# KiCad board pandemonium BLE.kicad_pcb
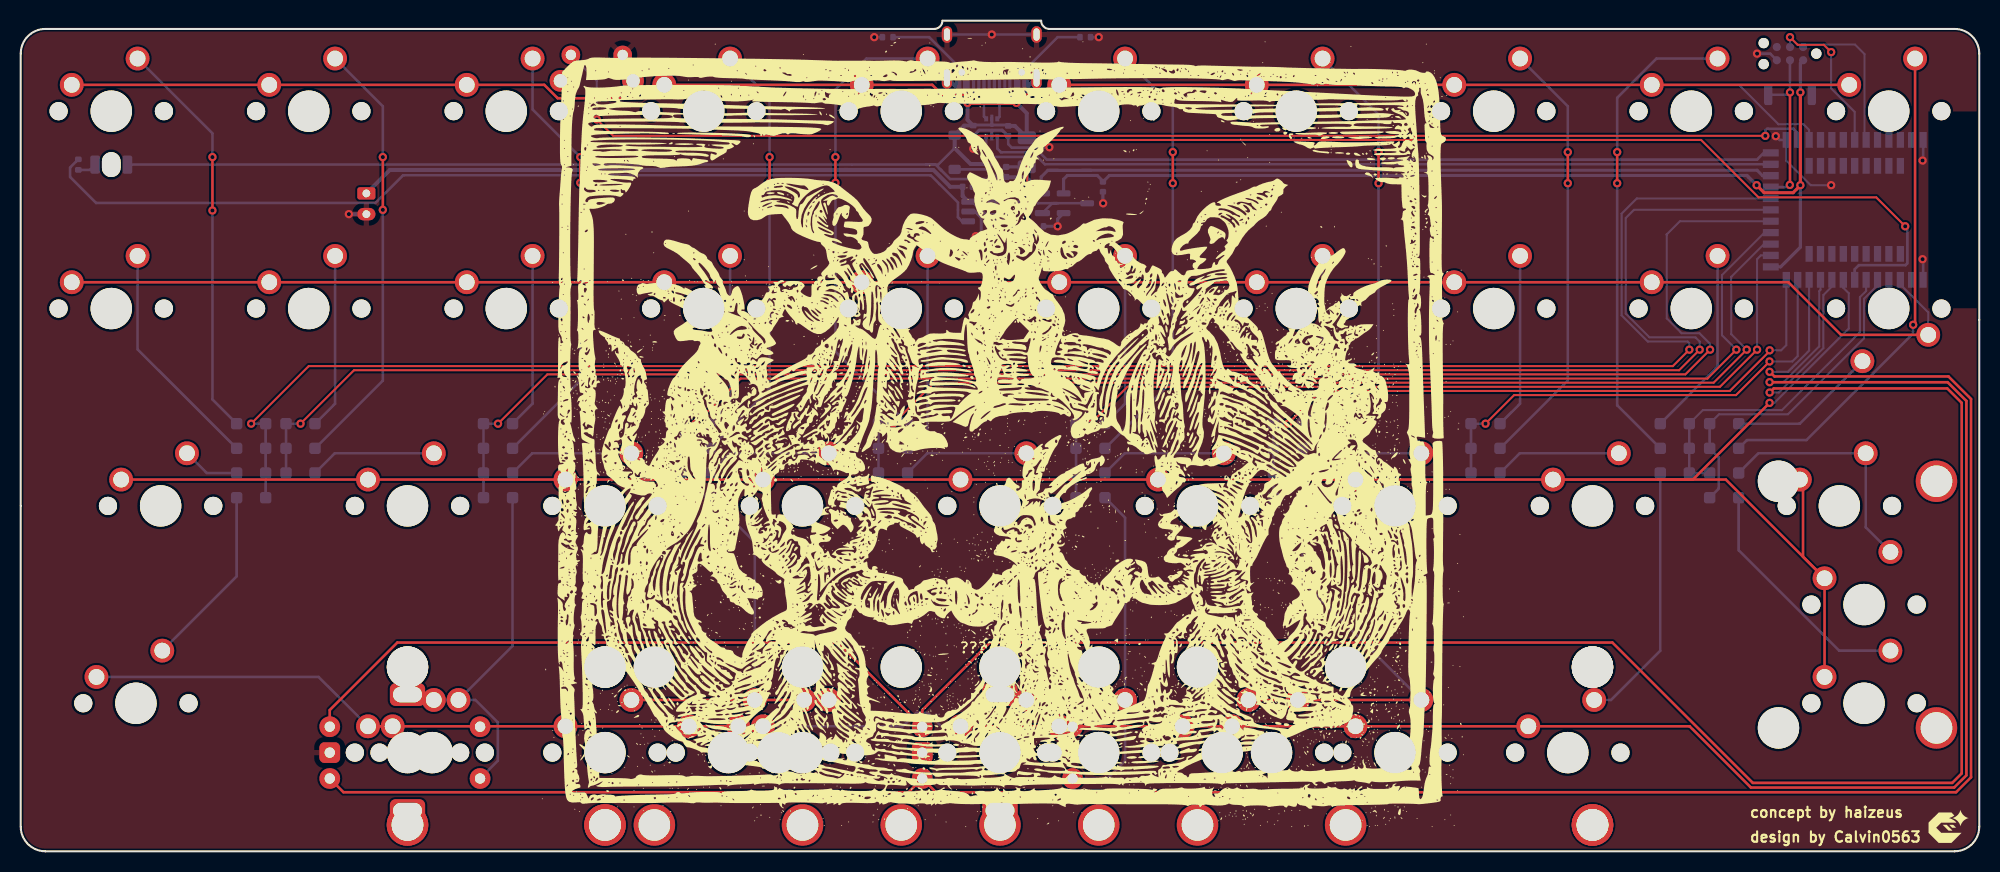
[diagram p0: board, top side]
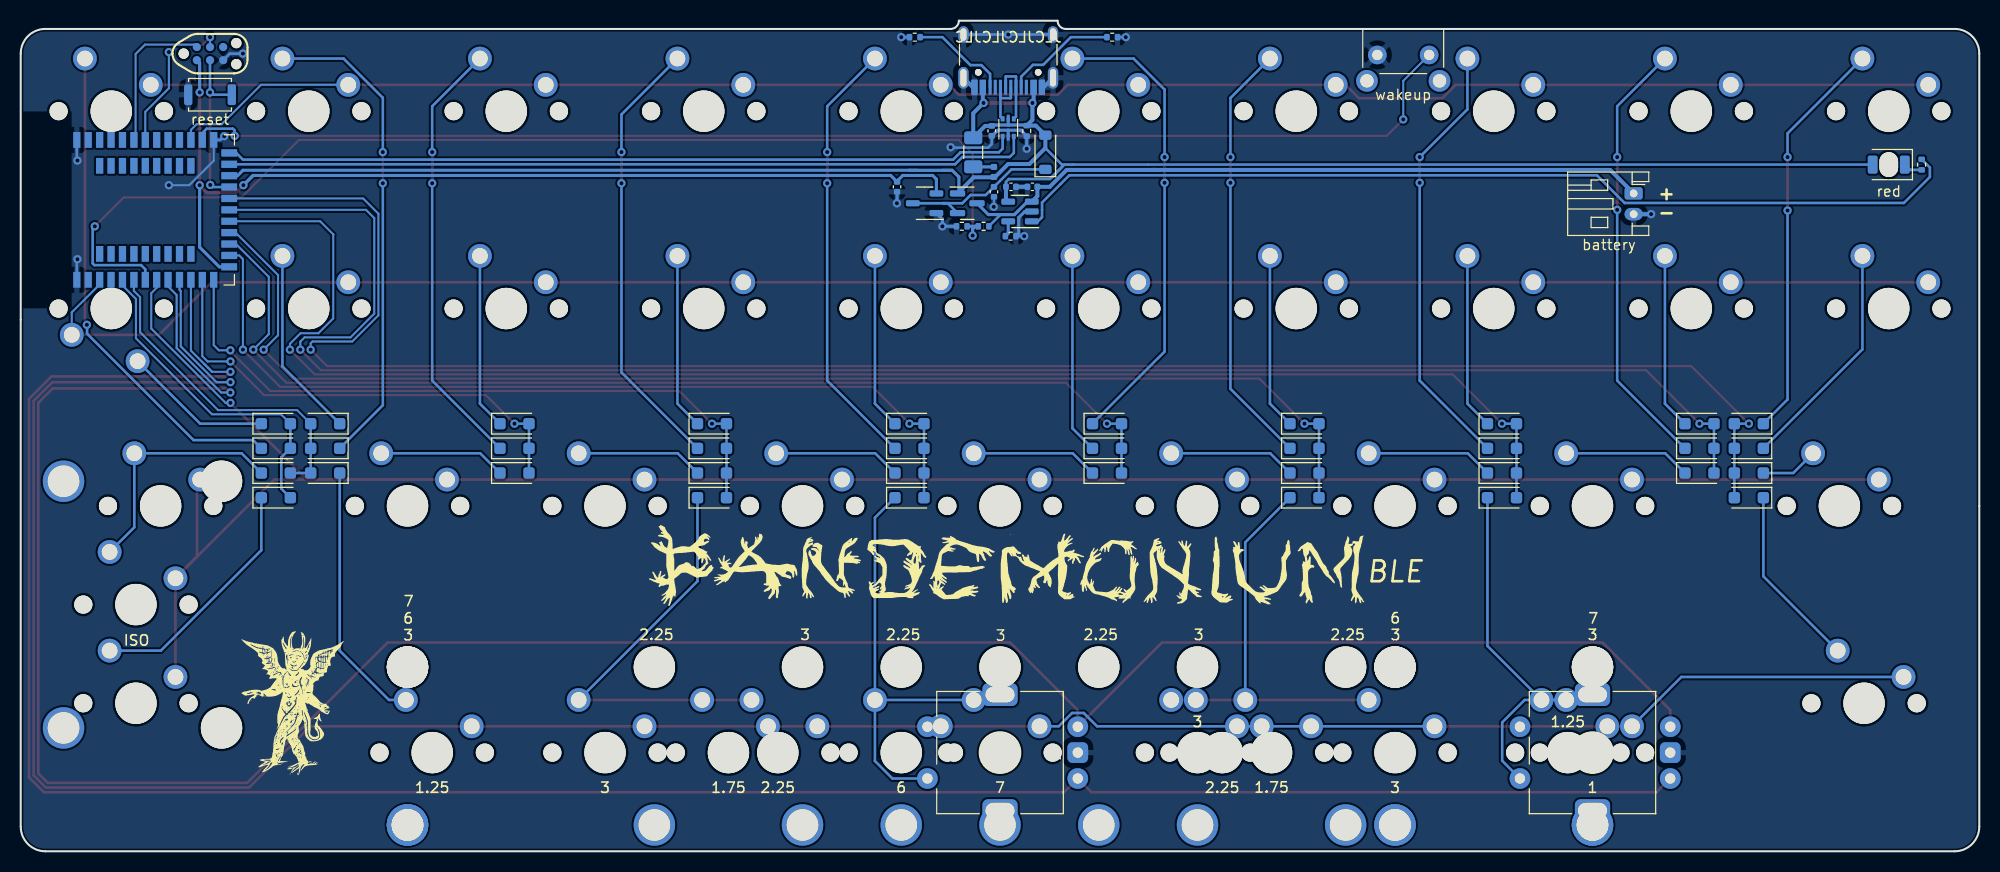
[diagram p1: board, bottom side, seen from below]

Outline 188.91 x 80.17 mm; copper layers: Top, Bottom. Coordinates in mm from the lower left corner of the outline.
Outline path: 0,76.99 0,33.34 0,2.38 arc(0.7,0.7) 2.38,0 186.53,0 arc(188.22,0.7) 188.91,2.38 188.91,51.3 188.91,76.99 arc(188.22,78.68) 186.53,79.38 99.22,79.38 arc(98.66,79.61) 98.43,80.17 88.9,80.17 arc(88.67,79.61) 88.11,79.38 2.38,79.38 arc(0.7,78.68) 0,76.99
Stack: Top 0.035mm / dielectric 1.51mm FR4 er 4.5 / Bottom 0.035mm

## Placement (name value [footprint] x y rotation side)
C1  100nF  [C_0402_1005Metric]  95.25 69.54 270 bottom
C2  1uF  [C_0402_1005Metric]  104.39 64.14 270 bottom
C3  1uF  [C_0402_1005Metric]  95.04 63.65 270 bottom
C4  4.7uF  [C_0402_1005Metric]  93.4 64.14 0 bottom
C5  4.7uF  [C_0402_1005Metric]  91.33 64.14 0 bottom
D1  D_Small  [D_SOD-123F]  22.23 41.28 0 bottom
D2  D_Small  [D_SOD-123F]  103.19 38.89 180 bottom
D3  D_Small  [D_SOD-123F]  22.23 38.89 0 bottom
D4  D_Small  [D_SOD-123F]  103.19 41.28 180 bottom
D5  D_Small  [D_SOD-123F]  22.23 36.51 0 bottom
D6  D_Small  [D_SOD-123F]  103.19 36.51 180 bottom
D7  D_Small  [D_SOD-123F]  22.23 34.13 0 bottom
D8  D_Small  [D_SOD-123F]  26.99 38.89 180 bottom
D9  D_Small  [D_SOD-123F]  122.24 38.89 180 bottom
D10  D_Small  [D_SOD-123F]  26.99 41.28 180 bottom
D11  D_Small  [D_SOD-123F]  122.24 41.28 180 bottom
D12  D_Small  [D_SOD-123F]  26.99 36.51 180 bottom
D13  D_Small  [D_SOD-123F]  122.24 36.51 180 bottom
D14  D_Small  [D_SOD-123F]  46.04 34.13 180 bottom
D15  D_Small  [D_SOD-123F]  46.04 38.89 180 bottom
D16  D_Small  [D_SOD-123F]  141.29 38.89 180 bottom
D17  D_Small  [D_SOD-123F]  46.04 41.28 180 bottom
D18  D_Small  [D_SOD-123F]  141.29 41.28 180 bottom
D19  D_Small  [D_SOD-123F]  46.04 36.51 180 bottom
D20  D_Small  [D_SOD-123F]  141.29 36.51 180 bottom
D21  D_Small  [D_SOD-123F]  65.09 34.13 180 bottom
D22  D_Small  [D_SOD-123F]  65.09 38.89 180 bottom
D23  D_Small  [D_SOD-123F]  84.14 41.28 180 bottom
D24  D_Small  [D_SOD-123F]  103.19 34.13 180 bottom
D25  D_Small  [D_SOD-123F]  159.54 38.89 0 bottom
D26  D_Small  [D_SOD-123F]  164.31 38.89 180 bottom
D27  D_Small  [D_SOD-123F]  159.54 36.51 0 bottom
D28  D_Small  [D_SOD-123F]  65.09 41.28 180 bottom
D29  D_Small  [D_SOD-123F]  84.14 38.89 180 bottom
D30  D_Small  [D_SOD-123F]  164.31 34.13 180 bottom
D31  D_Small  [D_SOD-123F]  159.54 41.28 0 bottom
D32  D_Small  [D_SOD-123F]  164.31 41.28 180 bottom
D34  D_Small  [D_SOD-123F]  65.09 36.51 180 bottom
D35  D_Small  [D_SOD-123F]  84.14 36.51 180 bottom
D37  D_Small  [D_SOD-123F]  164.31 36.51 180 bottom
D38  1N5819  [D_SOD-123]  90.08 67.47 90 bottom
D39  RED  [LED_1206_3216Metric_ReverseMount_Hole1.8x2.4mm]  8.73 66.28 0 bottom
D40  D_Small  [D_SOD-123F]  122.24 34.13 180 bottom
F2  750 mA  [Fuse_1206_3216Metric]  97.04 67.47 90 bottom
G***  -  [LOGO]  -21.43 40.48 90 top
G***#2  -  [LOGO]  185.74 2.38 0 top
G***#3  -  [LOGO]  94.46 40.48 0 top
G***#4  -  [LOGO]  94.46 27.78 180 bottom
G***#5  -  [LOGO]  162.72 14.29 180 bottom
J2  HRO_TYPE-C-31-M-14  [USB_C_Receptacle_HRO_TYPE-C-31-M-12]  93.66 77.79 0 bottom
J8  TC2030_SWD  [CON_TC2030_outlined]  170.66 76.99 180 bottom
J9  Battery  [JST_PH_S2B-PH-K_1x02_P2.00mm_Horizontal]  33.34 63.5 270 bottom
L2  BLM15PX121SN1D  [L_0402_1005Metric]  95.05 65.57 90 bottom
MX1  MX_SW_solder  [SW_MX_1u]  8.73 71.44 0 top
MX2  MX_SW_solder  [SW_MX_1u]  103.98 71.44 0 top
MX3  MX_SW_solder  [SW_MX_1u]  8.73 52.39 0 top
MX4  MX_SW_solder  [SW_MX_1u]  103.98 52.39 0 top
MX5  MX_SW_solder  [SW_MX_1.5u]  13.49 33.34 0 top
MX6  MX_SW_solder  [SW_MX_1u]  113.51 33.34 0 top
MX7  MX_SW_solder  [SW_MX_1.25u]  11.11 14.29 0 top
MX8  MX_SW_solder  [SW_MX_1u]  27.78 71.44 0 top
MX9  MX_SW_solder  [SW_MX_1u]  123.03 71.44 0 top
MX10  MX_SW_solder  [SW_MX_1u]  27.78 52.39 0 top
MX11  MX_SW_solder  [SW_MX_1u]  123.03 52.39 0 top
MX12  MX_SW_solder  [SW_MX_1u]  37.31 33.34 0 top
MX13  MX_SW_solder  [SW_MX_1u]  132.56 33.34 0 top
MX14  MX_SW_solder  [SW_MX_1u]  37.31 9.53 0 top
MX15  MX_SW_solder  [SW_MX_1u]  46.83 71.44 0 top
MX16  MX_SW_solder  [SW_MX_1u]  142.08 71.44 0 top
MX17  MX_SW_solder  [SW_MX_1u]  46.83 52.39 0 top
MX18  MX_SW_solder  [SW_MX_1u]  142.08 52.39 0 top
MX19  MX_SW_solder  [SW_MX_1u]  56.36 33.34 0 top
MX20  MX_SW_solder  [SW_MX_1u]  151.61 33.34 0 top
MX21  MX_SW_solder  [SW_MX_1u]  75.41 9.53 0 top
MX22  MX_SW_solder  [SW_MX_1u]  65.88 71.44 0 top
MX23  MX_SW_solder  [SW_MX_1u]  161.13 71.44 0 top
MX24  MX_SW_solder  [SW_MX_1u]  65.88 52.39 0 top
MX25  MX_SW_solder  [SW_MX_1u]  161.13 52.39 0 top
MX26  MX_SW_solder  [SW_MX_1u]  75.41 33.34 0 top
MX27  MX_SW_solder  [SW_MX_1u]  177.8 23.81 0 top
MX28  MX_SW_solder  [SW_MX_1u]  132.56 9.53 0 top
MX29  MX_SW_solder  [SW_MX_1u]  84.93 71.44 0 top
MX30  MX_SW_solder  [SW_MX_1u]  180.18 71.44 0 top
MX31  MX_SW_solder  [SW_MX_1u]  84.93 52.39 0 top
MX32  MX_SW_solder  [SW_MX_1u]  180.18 52.39 180 top
MX33  MX_SW_solder  [SW_MX_1u]  94.46 33.34 0 top
MX34  MX_SW_solder  [SW_MX_1u]  103.98 9.53 0 top
MX35  MX_SW_solder  [SW_MX_1u]  56.36 9.53 0 top
MX36  MX_SW_solder  [SW_MX_1.25u]  39.69 9.53 0 top
MX37  MX_SW_solder  [SW_MX_1u]  73.03 9.53 0 top
MX38  MX_SW_solder  [SW_MX_1.75u]  68.26 9.53 0 top
MX39  MX_SW_solder  [SW_MX_1u]  94.46 9.53 0 top
MX40  MX_SW_solder  [SW_MX_1.25u]  177.8 14.29 0 top
MX41  MX_SW_solder  [SW_MX_1.5u]  175.42 33.34 0 top
MX42  MX_SW_solder  [SW_MX_1u]  115.89 9.53 0 top
MX43  MX_SW_solder  [SW_MX_1.75u]  120.65 9.53 0 top
MX44  MX_SW_solder  [SW_MX_1.25u]  149.23 9.53 0 top
Q1  AO3407  [SOT-23]  97.61 62.55 180 bottom
R2  810K  [R_0402_1005Metric]  96.04 60.33 0 bottom
R3  1K  [R_0402_1005Metric]  5.56 66.28 90 bottom
R4  3.3K  [R_0402_1005Metric]  93.43 59.38 180 bottom
R5  2M  [R_0402_1005Metric]  98.14 60.33 0 bottom
R6  100K  [R_0402_1005Metric]  91.88 69.54 270 bottom
R7  5.1k  [R_0402_1005Metric]  83.63 78.58 180 bottom
R9  5.1k  [R_0402_1005Metric]  102.68 78.58 0 bottom
S2  3  [STAB_MX_P_3u]  75.41 9.53 180 top
S3  3  [STAB_MX_P_3u]  132.56 9.53 180 top
S4  3  [STAB_MX_P_3u]  56.36 9.53 180 top
S5  ISO  [STAB_MX_P_ISO-ROT]  177.8 23.81 0 top
S6  225  [STAB_MX_P_2.25u]  73.03 9.53 180 top
S7  225  [STAB_MX_P_2.25u]  115.89 9.53 180 top
S8  6  [STAB_MX_P_6u]  103.98 9.53 180 top
S9  7  [STAB_MX_P_7u]  94.46 9.53 180 top
SW1  RotaryEncoder_Switch  [ROT_Alps_EC11E-Switch]  37.31 9.53 270 top
SW2  RotaryEncoder_Switch  [ROT_Alps_EC11E-Switch]  94.46 9.53 270 top
SWT1  SW_Push  [SW_Push_SPST_NO_Alps_SKRK]  170.66 73.03 0 bottom
SWT2  SW_Push  [SW_SKHLLCA010]  55.56 75.61 180 bottom
U2  HOLYIOT-18010  [nRF52840_holyiot_18010]  177.8 61.91 90 bottom
U3  MCP73831  [SOT-23-5]  92.53 61.76 0 bottom
U4  USBLC6-2P6  [SOT-666]  93.66 69.85 90 bottom
U8  XC6206PxxxMR  [SOT-23-3]  101.73 62.55 0 bottom

## Library data of the parts
C1-C5 = -: Description: Unpolarized capacitor, small symbol
D1-D32 D34 D35 D37 D40 = -: Description: Diode, small symbol; Sim.Device: D; Sim.Pins: 1=K 2=A
D38 = -: Description: Diode, small symbol
D39 = -: Description: Light emitting diode, small symbol
F2 = -: Description: Fuse, small symbol; LCSC: C20792
J2 = -: Description: USB 2.0-only Type-C Receptacle connector
J8 = -: Description: 6-pin TC2030 connector for SWD programming
J9 = -: Description: Generic connectable mounting pin connector, single row, 01x02, script generated (kicad-library-utils/schlib/autogen/connector/)
L2 = -: Description: Inductor, small symbol; LCSC: C88970
MX1-MX44 = -: Description: Push button switch, normally open, two pins, 45° tilted
Q1 = -: Description: -4.0A Id, -30V Vds, P-Channel MOSFET, SOT-23
R2-R7 R9 = -: Description: Resistor, small symbol
S2-S9 = -: Description: Cherry MX-style stabilizer
SW1 SW2 = -: Description: Rotary encoder, dual channel, incremental quadrate outputs, with switch
SWT1 SWT2 = -: Description: Push button switch, generic, two pins
U3 = -: Description: Single cell, Li-Ion/Li-Po charge management controller, 4.20V, Open-Drain Status Output, in SOT23-5 package
U4 = -: Description: Very low capacitance ESD protection diode, 2 data-line, SOT-666; LCSC: C15999
U8 = -: Description: Positive 60-250mA Low Dropout Regulator, Fixed Output, SOT-23

## Footprints (pads in the part's own frame, mm; a bottom-side part is the same pattern mirrored in y, then rotated)
C_0402_1005Metric
  rrect 0.56x0.62 smd: 1(-0.48,0) 2(0.48,0)
CON_TC2030_outlined
  round 0.991 hole 0.991 unplated: (-2.54,0) (2.54,-1.016) (2.54,1.016)
  round 0.787 smd: 1(-1.27,-0.635) 2(-1.27,0.635) 3(0,-0.635) 4(0,0.635) 5(1.27,-0.635) 6(1.27,0.635)
D_SOD-123
  rrect 0.9x1.2 smd: 1(-1.65,0) 2(1.65,0)
D_SOD-123F
  rrect 1.1x1.1 smd: 1(-1.4,0) 2(1.4,0)
Fuse_1206_3216Metric
  rrect 1.25x1.75 smd: 1(-1.4,0) 2(1.4,0)
JST_PH_S2B-PH-K_1x02_P2.00mm_Horizontal
  rrect 1.2x1.75 hole 0.75: 1(0,0)
  oval 1.2x1.75 hole 0.75: 2(2,0)
L_0402_1005Metric
  rrect 0.59x0.64 smd: 1(-0.485,0) 2(0.485,0)
LED_1206_3216Metric_ReverseMount_Hole1.8x2.4mm
  oval 1.8x2.4 hole 1.8x2.4 unplated: (0,0)
  rrect 0.95x1.75 smd: 1(-1.55,0) 2(1.55,0)
nRF52840_holyiot_18010
  rect 1.524x0.7 smd: 1(-6.75,5.7) 2(-6.75,4.6) 3(-6.75,3.5) 4(-6.75,2.4) 5(-6.75,1.3) 6(-6.75,0.2) 7(-6.75,-0.9) 8(-6.75,-2) 9(-6.75,-3.1) 10(-6.75,-4.2) 11(-6.75,-5.3) 12(-6.75,-6.4) 13(-6.75,-7.5) 25(6.75,-7.5) 26(6.75,-6.4) 27(6.75,-5.3) 28(6.75,-4.2) 29(6.75,-3.1) 30(6.75,-2) 31(6.75,-0.9) 32(6.75,0.2) 33(6.75,1.3) 34(6.75,2.4) 35(6.75,3.5) 36(6.75,4.6) 37(6.75,5.7) 38(-4.25,3.5) 39(-4.25,2.4) 40(-4.25,1.3) 41(-4.25,0.2) 42(-4.25,-0.9) 43(-4.25,-2) 44(-4.25,-3.1) 45(-4.25,-4.2) 46(-4.25,-5.3) 47(4.25,3.5) 48(4.25,2.4) 49(4.25,1.3) 50(4.25,0.2) 51(4.25,-0.9) 52(4.25,-2) 53(4.25,-3.1) 54(4.25,-4.2) 55(4.25,-5.3)
  rect 0.7x1.524 smd: 14(-5.5,-9) 15(-4.4,-9) 16(-3.3,-9) 17(-2.2,-9) 18(-1.1,-9) 19(0,-9) 20(1.1,-9) 21(2.2,-9) 22(3.3,-9) 23(4.4,-9) 24(5.5,-9)
R_0402_1005Metric
  rrect 0.54x0.64 smd: 1(-0.51,0) 2(0.51,0)
ROT_Alps_EC11E-Switch
  round 2 hole 1: A(-2.5,-7.5) B(2.5,-7.5) S1(2.5,7) S2(-2.5,7)
  rrect 2x2 hole 1: C(0,-7.5)
  rrect 2.2x3.4 hole 1.5x2.8: MP(-5.6,0) MP(5.6,0)
SOT-23
  rrect 1.475x0.6 smd: 1(-0.938,0.95) 2(-0.938,-0.95) 3(0.938,0)
SOT-23-3
  rrect 1.325x0.6 smd: 1(-1.137,0.95) 2(-1.137,-0.95) 3(1.137,0)
SOT-23-5
  rrect 1.325x0.6 smd: 1(-1.137,0.95) 2(-1.137,0) 3(-1.137,-0.95) 4(1.137,-0.95) 5(1.137,0.95)
SOT-666
  rect 0.5x0.375 smd: 1(-0.85,0.537) 3(-0.85,-0.537) 4(0.85,-0.537) 6(0.85,0.537)
  rect 0.65x0.3 smd: 2(-0.925,0) 5(0.925,0)
STAB_MX_P_2.25u
  round 4 hole 3.048: (-11.906,6.985) (11.906,6.985)
  round 3.988 hole 3.988 unplated: (-11.906,-8.255) (11.906,-8.255)
STAB_MX_P_3u
  round 4 hole 3.048: (-19.05,6.985) (19.05,6.985)
  round 3.988 hole 3.988 unplated: (-19.05,-8.255) (19.05,-8.255)
STAB_MX_P_6u
  round 4 hole 3.048: (-47.625,6.985) (47.625,6.985)
  round 3.988 hole 3.988 unplated: (-47.625,-8.255) (47.625,-8.255)
STAB_MX_P_7u
  round 4 hole 3.048: (-57.15,6.985) (57.15,6.985)
  round 3.988 hole 3.988 unplated: (-57.15,-8.255) (57.15,-8.255)
STAB_MX_P_ISO-ROT
  round 3.988 hole 3.988 unplated: (-8.255,11.906) (-8.255,-11.906)
  round 4 hole 3.048: (6.985,11.906) (6.985,-11.906)
SW_MX_1.5u
  round 1.75 hole 1.75 unplated: (-5.08,0) (5.08,0)
  round 3.988 hole 3.988 unplated: (0,0)
  round 2.3 hole 1.524: 1(-3.81,2.54) 2(2.54,5.08)
SW_MX_1.25u
  round 1.75 hole 1.75 unplated: (-5.08,0) (5.08,0)
  round 3.988 hole 3.988 unplated: (0,0)
  round 2.3 hole 1.524: 1(-3.81,2.54) 2(2.54,5.08)
SW_MX_1.75u
  round 1.75 hole 1.75 unplated: (-5.08,0) (5.08,0)
  round 3.988 hole 3.988 unplated: (0,0)
  round 2.3 hole 1.524: 1(-3.81,2.54) 2(2.54,5.08)
SW_MX_1u
  round 1.75 hole 1.75 unplated: (-5.08,0) (5.08,0)
  round 3.988 hole 3.988 unplated: (0,0)
  round 2.3 hole 1.524: 1(-3.81,2.54) 2(2.54,5.08)
SW_Push_SPST_NO_Alps_SKRK
  rrect 0.8x2 smd: 1(-2.1,0) 2(2.1,0)
SW_SKHLLCA010
  round 1.8 hole 1: 1(2.5,1.25) 2(-2.5,1.25)
  round 2.1 hole 1.3: MP(-3.5,-1.25) MP(3.5,-1.25)
USB_C_Receptacle_HRO_TYPE-C-31-M-12
  round 0.65 hole 0.65 unplated: (-2.89,2.6) (2.89,2.6)
  rect 0.6x1.45 smd: A1(-3.25,4.045) A4(-2.45,4.045) A9(2.45,4.045) A12(3.25,4.045) B1(3.25,4.045) B4(2.45,4.045) B9(-2.45,4.045) B12(-3.25,4.045)
  rect 0.3x1.45 smd: A5(-1.25,4.045) A6(-0.25,4.045) A7(0.25,4.045) A8(1.25,4.045) B5(1.75,4.045) B6(0.75,4.045) B7(-0.75,4.045) B8(-1.75,4.045)
  oval 1x1.6 hole 0.6x1.2: S1(-4.32,-1.05) S1(4.32,-1.05)
  oval 1x2.1 hole 0.6x1.7: S1(-4.32,3.13) S1(4.32,3.13)

## Nets
/VBAT: C5.1 J9.1 Q1.3 R2.1 U3.3
/VBUS: C1.1 C4.2 D38.2 D39.2 F2.2 J2.A4 J2.A9 J2.B4 J2.B9 L2.1 Q1.1 R6.1 U2.22 U3.4 U4.5
GND: C1.2 C2.2 C3.2 C4.1 C5.2 J2.A1 J2.A12 J2.B1 J2.B12 J2.S1 J8.5 J9.2 R4.2 R5.2 R6.2 R7.2 R9.2 SW1.C SW2.C SWT1.2 SWT2.2 U2.1 U2.25 U2.37 U3.2 U4.2 U8.1
/BT_PIN: R2.2 R5.1 U2.7
/CC1: J2.A5 R7.1
/CC2: J2.B5 R9.1
/DATA ESD+: J2.A6 J2.B6 U4.6
/DATA ESD-: J2.A7 J2.B7 U4.4
/DATA+: U2.24 U4.1
/DATA-: U2.23 U4.3
/nRF_VDD: C2.1 J8.1 U2.14 U8.2
/P0.09: U2.35
/P0.10: U2.36
/P1.01: U2.29
/P1.02: U2.30
/P1.03: U2.28
/P1.04: U2.33
/P1.06: U2.34
/P1.11: U2.2
/P1.13: U2.4
/RESET: J8.3 SWT1.1 U2.21
/SWC: J8.4 U2.31
/SWD: J8.2 U2.32
COL0: D1.2 D3.2 D5.2 D7.2 U2.20
COL1: D8.2 D10.2 D12.2 U2.19
COL2: D14.2 D15.2 D17.2 D19.2 U2.18
COL3: D21.2 D22.2 D28.2 D34.2 U2.17
COL4: D23.2 D29.2 D35.2 U2.16
COL5: D2.2 D4.2 D6.2 D24.2 U2.15
COL6: D9.2 D11.2 D13.2 D40.2 U2.13
COL7: D16.2 D18.2 D20.2 U2.12
COL8: D25.2 D27.2 D31.2 D37.2 U2.6
COL9: D26.2 D30.2 D32.2 U2.5
r1: D14.1 MX14.2 MX36.2 SW1.S1
r2: D24.1 MX34.2 MX39.2 SW2.S1
ROTARY_A: SW1.A SW2.A U2.9
ROTARY_B: SW1.B SW2.B U2.11
ROW0: MX1.1 MX2.1 MX8.1 MX9.1 MX15.1 MX16.1 MX22.1 MX23.1 MX29.1 MX30.1 U2.27
ROW1: MX3.1 MX4.1 MX10.1 MX11.1 MX17.1 MX18.1 MX24.1 MX25.1 MX31.1 MX32.1 U2.3
ROW2: MX5.1 MX6.1 MX12.1 MX13.1 MX19.1 MX20.1 MX26.1 MX27.1 MX33.1 MX40.1 MX41.1 U2.8
ROW3: MX7.1 MX14.1 MX21.1 MX28.1 MX34.1 MX35.1 MX36.1 MX37.1 MX38.1 MX39.1 MX42.1 MX43.1 MX44.1 SW1.S2 SW2.S2 U2.10
WakeUp: SWT2.1 U2.26
Net-(#FLG03-pwr): C3.1 D38.1 Q1.2 U8.3
Net-(D1-K): D1.1 MX1.2
Net-(D2-K): D2.1 MX2.2
Net-(D3-K): D3.1 MX3.2
Net-(D4-K): D4.1 MX4.2
Net-(D5-K): D5.1 MX5.2
Net-(D6-K): D6.1 MX6.2
Net-(D7-K): D7.1 MX7.2
Net-(D8-K): D8.1 MX8.2
Net-(D9-K): D9.1 MX9.2
Net-(D10-K): D10.1 MX10.2
Net-(D11-K): D11.1 MX11.2
Net-(D12-K): D12.1 MX12.2
Net-(D13-K): D13.1 MX13.2
Net-(D15-K): D15.1 MX15.2
Net-(D16-K): D16.1 MX16.2
Net-(D17-K): D17.1 MX17.2
Net-(D18-K): D18.1 MX18.2
Net-(D19-K): D19.1 MX19.2
Net-(D20-K): D20.1 MX20.2
Net-(D21-K): D21.1 MX21.2 MX35.2 MX37.2 MX38.2
Net-(D22-K): D22.1 MX22.2
Net-(D23-K): D23.1 MX29.2
Net-(D25-K): D25.1 MX23.2
Net-(D26-K): D26.1 MX30.2
Net-(D27-K): D27.1 MX44.2
Net-(D28-K): D28.1 MX24.2
Net-(D29-K): D29.1 MX31.2
Net-(D30-K): D30.1 MX40.2
Net-(D31-K): D31.1 MX25.2
Net-(D32-K): D32.1 MX32.2
Net-(D34-K): D34.1 MX26.2
Net-(D35-K): D35.1 MX33.2
Net-(D37-K): D37.1 MX27.2 MX41.2
Net-(D39-K): D39.1 R3.1
Net-(D40-K): D40.1 MX28.2 MX42.2 MX43.2
Net-(F2-Pad1): F2.1 L2.2
Net-(U3-PROG): R4.1 U3.5
Net-(U3-STAT): R3.2 U3.1

Pads without a net: J2 A8 B8; J8 6; SW1 MP; SW2 MP; SWT2 MP; U2 38 39 40 41 42 43 44 45 46 47 48 49 50 51 52 53 54 55

## Via types
v1: diameter 0.8, hole 0.4, Top to Bottom, 67 vias

## Routing (per net, layer and track width the routed paths; a pad name or vN(x,y) marks a point on that pad's centre or on a via; arc(x,y) is an arc through that point)
/VBAT: length 70.9
  Bottom w0.25: 92.74,61.78 93.09,61.43 94.43,61.43 R2.1
  Bottom w0.3: Q1.3 95.58,61.46 93.06,61.46 91.81,62.71 U3.3
  Bottom w0.381: 79.38,65.77 88.03,65.77 89.66,64.14 C5.1 90.85,63.24 U3.3 ; 79.38,65.77 79.8,65.77 ; 79.38,65.77 35.6,65.77 J9.1
/VBUS: length 202.7
  Top w0.381: v1(96.04,72.23) v1(91.33,72.23)
  Bottom w0.25: 87.31,66.28 D39.2 ; 87.31,66.28 88.49,66.28 90.08,67.88 ; 87.31,66.28 88.24,66.28 88.77,65.75 ; 88.77,65.75 89.48,65.04 ; 88.77,65.75 89.63,64.89 93.6,64.89 93.88,64.61 C4.2 ; 88.77,65.75 88.49,66.03 ; 99.07,65.73 102.39,65.73
  Bottom w0.3: 93.61,70.1 95.17,70.1 C1.1 ; 93.61,70.1 93.66,70.15 ; 93.61,70.1 91.93,70.1 R6.1 ; 93.66,70.15 93.71,70.1 ; 93.66,70.15 U4.5 ; 93.66,70.15 93.66,70.1 ; 103.19,65.73 99.22,65.73 ; 103.19,65.73 167.48,65.73 168,65.21 U2.22 ; 103.19,65.73 102.39,65.73 ; 100.01,65.73 99.07,65.73 98.43,65.09 98.43,63.63 Q1.1
  Bottom w0.381: J2.A4 91.21,72.35 v1(91.33,72.23) 91.33,70.59 R6.1 91.01,70.05 D38.2 90.08,67.88 91.62,66.33 93.67,66.33 94.92,65.09 L2.1 95.08,65.05 97,65.05 Q1.1 ; C1.1 95.89,70.02 F2.2 97.04,71.24 v1(96.04,72.23) 96.11,72.3 J2.A9 ; U3.4 93.88,62.92 C4.2
GND: length 50.9
  Bottom w0.2: v1(95.06,62.21) 95.04,62.23 C3.2 ; U2.25 170.3,66.65 172.66,64.29 v1(174.63,64.29)
  Bottom w0.25: R7.2 v1(82.33,78.58) ; v1(183.45,57.15) 183.5,57.1 U2.1 ; R4.2 v1(92.13,59.38) ; C1.2 95.25,68.26 95.59,67.92 99.18,67.92 v1(99.22,67.96) ; v1(183.45,66.68) 183.5,66.73 U2.37 ; R9.2 v1(103.98,78.58) ; J8.5 168.75,76.99 v1(167.48,76.99) ; 90.88,61.76 U3.2 ; J2.S1 J2.S1 ; v1(169.29,69.03) 169.65,68.66 U2.25
  Bottom w0.3: U3.2 92.06,61.76 92.65,61.16 92.65,59.64 R4.2 ; 93.66,69.55 93.61,69.6 92.45,69.6 R6.2 91.88,67.81 v1(91.88,67.81) ; 93.66,69.55 U4.2 ; 93.66,69.55 93.71,69.6 94.66,69.6 95.21,69.06 C1.2 ; C2.2 104.39,62.57 v1(104.4,62.55) ; R5.2 v1(100.01,60.33) 100.01,61.02 U8.1
  Bottom w0.381: J2.S1 90.26,73.74 J2.A1 ; J2.A12 97.07,73.74 J2.S1 ; v1(31.65,61.5) 31.65,61.5 J9.2 ; C5.2 C4.1
  vias: v1(93.66,78.84)
/BT_PIN: length 108.6
  Top w0.2: v1(97.09,59.43) 97.09,67.33 98.43,68.66 162.09,68.66 167.62,63.12 178.98,63.12 v1(181.77,60.33)
  Bottom w0.25: U2.7 176.9,56.17 177.3,56.58 181.81,56.58 181.98,56.74 181.98,60.12 v1(181.77,60.33)
  Bottom w0.3: 96.84,60.33 R5.1 ; 96.84,60.33 R2.2 ; 96.84,60.33 97.09,60.07 v1(97.09,59.43)
/CC1: length 10.9
  Bottom w0.25: R7.1 87.62,78.58 90.29,75.91 91.27,75.91 92.41,74.77 J2.A5
/CC2: length 9.5
  Bottom w0.25: J2.B5 95.41,75.04 96.26,75.89 97.32,75.89 100.01,78.58 R9.1
/DATA ESD+: length 6.2
  Bottom w0.25: 94.2,70.7 94.41,70.91 J2.B6 94.41,72.72 94.39,72.69 93.44,72.69 93.41,72.72 J2.A6
/DATA ESD-: length 6.2
  Bottom w0.25: 93.13,70.7 92.91,70.91 J2.B7 92.91,74.77 92.94,74.79 93.89,74.79 93.91,74.77 J2.A7
/DATA+: length 76.5
  Bottom w0.25: U4.1 94.2,67.83 94.56,67.47 98.27,67.47 98.97,66.76 167.48,66.76 168.13,67.41 U2.24
/DATA-: length 77.7
  Bottom w0.25: U4.3 93.13,67.41 93.51,67.02 98.08,67.02 98.79,66.31 U2.23
/nRF_VDD: length 97.3
  Top w0.3: v1(167.44,64.29) 168.16,63.57 170.96,63.57 171.66,64.27 v1(171.66,64.29) v1(171.66,73.25)
  Bottom w0.3: 166.5,65.23 105,65.23 C2.1 104.39,64.68 103.84,65.23 100.95,65.23 100.59,64.87 U8.2 ; 166.5,65.23 v1(167.44,64.29) 166.5,65.23 ; v1(171.66,73.25) 171.66,76.09 J8.1 ; U2.14 169.76,56.41 171.66,58.31 v1(171.66,64.29)
/RESET: length 16.2
  Top w0.25: v1(170.66,73.25) 170.66,64.34 v1(170.64,64.32)
  Bottom w0.25: J8.3 v1(170.66,73.25) 170.43,73.03 SWT1.1 ; v1(170.64,64.32) 170.43,64.11 U2.21
/SWC: length 14.9
  Top w0.2: v1(174.63,77.14) 173.93,77.84 171.4,77.84 v1(170.66,78.58)
  Bottom w0.2: J8.4 v1(170.66,78.58) ; U2.31 176.9,71.37 174.63,73.65 v1(174.63,77.14)
/SWD: length 14.7
  Bottom w0.2: J8.2 172.16,77.86 176.93,77.86 177.84,76.96 177.84,68.83 U2.32
COL0: length 183.3
  Top w0.2: v1(160.95,48.42) 159.36,46.83 27.78,46.83 v1(22.23,41.28)
  Bottom w0.2: v1(160.95,48.42) 160.95,49.03 160.77,49.21 156.93,49.21 154.41,51.73 154.41,61.54 155.88,63.01 U2.20
  Bottom w0.25: v1(22.23,41.28) D1.2 D7.2
COL1: length 176.6
  Top w0.2: v1(161.95,48.42) 159.96,46.43 32.14,46.43 v1(26.99,41.28)
  Bottom w0.2: v1(161.95,48.42) 161.95,49.19 161.53,49.61 157.1,49.61 154.81,51.89 154.81,61.12 155.61,61.91 U2.19
  Bottom w0.25: v1(26.99,41.28) D10.2 D12.2
COL2: length 152.9
  Top w0.2: v1(162.95,48.42) 160.56,46.03 50.79,46.03 v1(46.04,41.28)
  Bottom w0.2: v1(162.95,48.42) 162.95,48.98 161.93,50.01 160.2,50.01 158.77,51.43 158.77,59.51 158.75,59.53 160.03,60.81 U2.18
  Bottom w0.25: D14.2 D17.2 v1(46.04,41.28)
COL3: length 126.1
  Top w0.2: v1(165.48,48.42) 162.69,45.63 69.44,45.63 v1(65.09,41.28)
  Bottom w0.2: v1(165.48,48.42) 164.1,49.8 164.1,55.62 168.19,59.71 U2.17
  Bottom w0.25: v1(65.09,41.28) D28.2 D21.2
COL4: length 104.2
  Top w0.2: v1(166.48,48.42) 163.29,45.23 88.09,45.23 v1(84.14,41.28)
  Bottom w0.2: v1(166.48,48.42) 164.99,49.91 164.99,55.45 168.15,58.61 U2.16
  Bottom w0.25: D35.2 D23.2 v1(84.14,41.28)
COL5: length 86
  Top w0.2: v1(167.48,48.42) 163.89,44.83 106.74,44.83 v1(103.19,41.28)
  Bottom w0.2: v1(167.48,48.42) 167.48,57.16 167.84,57.51 U2.15
  Bottom w0.25: D24.2 D4.2 v1(103.19,41.28)
COL6: length 66.1
  Top w0.2: v1(122.24,41.28) 125.39,44.43 164.85,44.43 168.69,48.27 168.69,48.35 v1(168.69,48.35)
  Bottom w0.2: U2.13 170.3,48.86 169.8,48.35 v1(168.69,48.35)
  Bottom w0.25: v1(122.24,41.28) D11.2 D40.2
COL7: length 46.3
  Top w0.2: v1(141.29,41.28) 144.04,44.03 165.45,44.03 168.68,47.27 v1(168.68,47.28)
  Bottom w0.2: U2.12 171.4,47.79 170.89,47.28 v1(168.68,47.28)
  Bottom w0.25: v1(141.29,41.28) D18.2 D20.2
COL8: length 32.1
  Bottom w0.2: U2.6 178,54.09 177.4,53.49 177.4,50.11 169.88,42.58 162.25,42.58 D31.2
  Bottom w0.25: D31.2 D27.2 D37.2
COL9: length 32.4
  Bottom w0.2: U2.5 179.1,54.62 177.8,53.32 177.8,49.52 170.47,42.18 163.81,42.18 D32.2
  Bottom w0.25: D30.2 163.78,35.01 163.78,38.02 D26.2 D32.2
r1: length 34.9
  Bottom w0.25: MX14.2 MX36.2 ; MX36.2 43.85,14.61 46.02,12.44 46.02,8.74 SW1.S1 ; MX36.2 47.44,19.82 D14.1
r2: length 41.5
  Bottom w0.25: MX34.2 106.52,32.2 D24.1 ; MX34.2 MX39.2 ; MX34.2 106.52,8.71 104.83,7.03 SW2.S1
ROTARY_A: length 244.3
  Top w0.25: SW1.A 29.81,13.63 36.33,20.15 78.83,20.15 SW2.A 86.96,13.63 93.48,20.15 153.53,20.15 167.07,6.6 186.3,6.6 187.22,7.52 187.22,43.28 185.83,44.68 169.09,44.68 v1(168.7,44.28)
  Bottom w0.2: U2.9 174.7,54.52 173.88,53.69 173.88,48.57 169.58,44.28 v1(168.7,44.28)
ROTARY_B: length 230.2
  Top w0.25: v1(168.69,46.28) 168.71,46.28 169.16,45.83 185.94,45.83 188.12,43.66 188.12,7.14 186.68,5.7 88.28,5.7 SW2.B 85.63,5.7 31.13,5.7 SW1.B
  Bottom w0.2: 171.23,47.05 170.45,46.28 v1(168.69,46.28) ; 171.23,47.05 170.45,46.28 ; 171.23,47.05 172.5,48.33 U2.11
ROW0: length 191.3
  Top w0.25: MX30.1 MX2.1 99.38,73.98 98.43,73.03 88.88,73.03 87.93,73.98 MX29.1 61.12,73.98 59.83,72.69 51.79,72.69 50.5,73.98 MX15.1 MX1.1
  Bottom w0.2: MX23.1 165.74,73.98 169.54,70.17 171.95,70.17 172.5,69.62 U2.27
ROW1: length 187.6
  Top w0.25: MX3.1 MX25.1 170.5,54.93 175.58,49.85 MX32.1
  Bottom w0.2: U2.3 181.3,54.71 183.99,52.02 MX32.1
ROW2: length 231
  Top w0.2: MX20.1 161.29,35.88
  Top w0.25: MX27.1 MX40.1 ; MX27.1 171.91,28.43 171.91,35.88 ; MX27.1 164.47,35.88 MX20.1 MX5.1 ; 157.96,35.88 161.28,35.88 v1(168.69,43.28)
  Bottom w0.2: v1(168.69,43.28) 169.15,43.28 176.33,50.46 176.33,53.86 175.8,54.39 U2.8
ROW3: length 274
  Top w0.25: MX14.1 MX21.1 ; v1(168.69,45.28) 168.69,45.28 185.86,45.28 187.67,43.47 187.67,7.33 186.49,6.15 166.89,6.15 160.97,12.07 MX44.1 MX39.1
  Bottom w0.2: v1(168.69,45.28) 168.69,45.28 170.01,45.28 173.48,48.74 173.48,54.08 173.6,54.2 U2.10
  Bottom w0.25: MX35.1 MX21.1 85.09,12.07 86.38,13.35 87.51,13.35 88.79,12.07 MX39.1 ; MX7.1 28.73,16.83 MX14.1
WakeUp: length 125.2
  Top w0.2: v1(55.56,70.64) 57.15,69.06 v1(168.28,69.06)
  Bottom w0.2: SWT2.1 55.56,74.36 v1(55.56,70.64)
  Bottom w0.25: U2.26 171.4,69.32 170.98,69.75 168.46,69.75 168.28,69.57 v1(168.28,69.06)
Net-(#FLG03-pwr): length 16.6
  Bottom w0.25: 99.35,62.55 U8.3 ; Q1.2 99.5,62.55 99.99,62.55 98.09,62.55 97.29,63.34 95.83,63.34 95.05,64.13 C3.1 93.35,65.82 D38.1
Net-(D1-K): length 39.2
  Top w0.25: v1(18.49,61.85) v1(18.49,67.01)
  Bottom w0.25: D1.1 18.49,43.61 v1(18.49,61.85) ; v1(18.49,67.01) 18.49,69.3 MX1.2
Net-(D2-K): length 42.2
  Top w0.25: v1(111.13,67.49) v1(111.13,64.48)
  Bottom w0.25: v1(111.13,67.49) 111.13,71.91 MX2.2 ; D2.1 111.13,45.43 v1(111.13,64.48)
Net-(D3-K): length 22.5
  Bottom w0.25: D3.1 11.27,48.45 MX3.2
Net-(D4-K): length 17
  Bottom w0.25: D4.1 106.52,43.21 MX4.2
Net-(D5-K): length 5.6
  Bottom w0.25: MX5.2 17.94,36.51 D5.1
Net-(D6-K): length 12.2
  Bottom w0.25: D6.1 106.49,38.42 MX6.2
Net-(D7-K): length 17.7
  Bottom w0.25: D7.1 20.83,26.54 MX7.2
Net-(D8-K): length 42.2
  Top w0.25: v1(34.93,61.91) v1(34.93,67.01)
  Bottom w0.25: v1(34.93,67.01) 34.93,71.91 MX8.2 ; v1(34.93,61.91) 34.93,45.43 D8.1
Net-(D9-K): length 42.9
  Top w0.25: v1(130.97,64.48) v1(130.97,67.49)
  Bottom w0.25: v1(130.97,67.49) 130.97,71.12 125.57,76.52 ; v1(130.97,64.48) 130.97,46.23 D9.1
Net-(D10-K): length 17
  Bottom w0.25: D10.1 30.32,43.21 MX10.2
Net-(D11-K): length 17
  Bottom w0.25: 125.57,57.47 125.57,43.21 D11.1
Net-(D12-K): length 12.2
  Bottom w0.25: D12.1 30.29,38.42 MX12.2
Net-(D13-K): length 12.2
  Bottom w0.25: MX13.2 125.54,38.42 D13.1
Net-(D15-K): length 42.2
  Top w0.25: v1(53.98,67.01) v1(53.98,64.53)
  Bottom w0.25: v1(53.98,67.01) 49.37,71.61 MX15.2 ; v1(53.98,64.53) 53.98,45.43 D15.1
Net-(D16-K): length 42.2
  Top w0.25: v1(149.23,67.49) v1(149.23,64.48)
  Bottom w0.25: v1(149.23,64.48) 149.23,45.43 D16.1 ; MX16.2 149.23,71.91 v1(149.23,67.49)
Net-(D17-K): length 17
  Bottom w0.25: D17.1 49.37,43.21 MX17.2
Net-(D18-K): length 17
  Bottom w0.25: D18.1 144.62,43.21 MX18.2
Net-(D19-K): length 12.2
  Bottom w0.25: MX19.2 49.34,38.42 D19.1
Net-(D20-K): length 12.2
  Bottom w0.25: MX20.2 144.59,38.42 D20.1
Net-(D21-K): length 40.4
  Top w0.25: MX35.2 MX21.2
  Bottom w0.25: D21.1 70.8,29.82 MX38.2
Net-(D22-K): length 41.6
  Top w0.25: v1(72.23,64.53) v1(72.23,67.01)
  Bottom w0.25: v1(72.23,64.53) 72.23,44.64 D22.1 ; v1(72.23,67.01) 72.23,72.71 MX22.2
Net-(D23-K): length 45.3
  Top w0.25: v1(78.58,64.53) v1(78.58,67.01)
  Bottom w0.25: v1(78.58,67.01) 78.58,73.52 81.58,76.52 MX29.2 ; D23.1 78.58,48.23 v1(78.58,64.53)
Net-(D25-K): length 46.8
  Top w0.25: v1(153.99,67.49) v1(153.99,64.48)
  Bottom w0.25: MX23.2 157.78,76.52 153.99,72.73 v1(153.99,67.49) ; v1(153.99,64.48) 153.99,43.05 D25.1
Net-(D26-K): length 48
  Top w0.25: v1(182.54,50.82) 182.72,51 MX30.2
  Bottom w0.25: D26.1 166.5,39.69 172.24,39.69 182.52,49.96 182.52,50.8 v1(182.54,50.82)
Net-(D27-K): length 25.5
  Bottom w0.25: D27.1 158.14,19.36 153.39,14.61 MX44.2
Net-(D28-K): length 17
  Bottom w0.25: MX24.2 68.42,43.21 D28.1
Net-(D29-K): length 19.4
  Bottom w0.25: D29.1 87.47,40.83 MX31.2
Net-(D30-K): length 23.7
  Bottom w0.25: MX40.2 175.4,19.37 165.71,29.06 D30.1
Net-(D31-K): length 18.5
  Bottom w0.25: MX25.2 163.67,46.8 D31.1
Net-(D32-K): length 14.4
  Bottom w0.25: MX32.2 171.61,41.28 D32.1
Net-(D34-K): length 12.2
  Bottom w0.25: MX26.2 68.39,38.42 D34.1
Net-(D35-K): length 12.2
  Bottom w0.25: MX33.2 87.44,38.42 D35.1
Net-(D37-K): length 23.6
  Bottom w0.25: D37.1 167.61,38.42 MX41.2 177.96,31.27 MX27.2
Net-(D39-K): length 1.8
  Bottom w0.25: D39.1 6.67,65.77 R3.1
Net-(D40-K): length 40.9
  Top w0.25: MX42.2 MX28.2
  Bottom w0.25: MX28.2 123.64,26.06 D40.1
Net-(F2-Pad1): length 2
  Bottom w0.3: L2.2 97.03,66.06 F2.1
Net-(U3-PROG): length 1.5
  Bottom w0.3: R4.1 93.66,59.65 U3.5
Net-(U3-STAT): length 93.5
  Bottom w0.25: R3.2 4.76,66 4.76,65.09 7.28,62.58 34.2,62.58 36.88,65.25 87.77,65.25 90.4,62.62 90.4,61.21 90.8,60.81 U3.1

## Copper pours and planes (outline as drawn; the poured copper is in the pictures)
GND on Top, Bottom: -12.7,86.52 204.79,86.52 204.79,-9.52 -12.7,-9.52

## Text on the board
B.Silkscreen: 3 | red | battery | wakeup | reset | 7 | 6 | 2.25 | ISO | JLCJLCJLCJLC | 1 | 1.25 | 1.75 | + | - | BLE
F.Silkscreen: 𝔓𝔞𝔫𝔡𝔢𝔪𝔬𝔫𝔦𝔲𝔪 | concept by haizeus | design by Calvin0563 | BAT | + | -
